# Altium PCB SAMD51_DevBoard.PcbDoc
Units mm, origin at the board's own origin, x right, y up, seen from the top; angles counter-clockwise.
Board outline 55.98 x 22.96 mm, 2 copper layers (Top Layer, Bottom Layer), stack 1.571 mm thick; 33 components, 58 nets, 205 pads, 117 vias.
Unrouted connection lines stored in the file: 13.
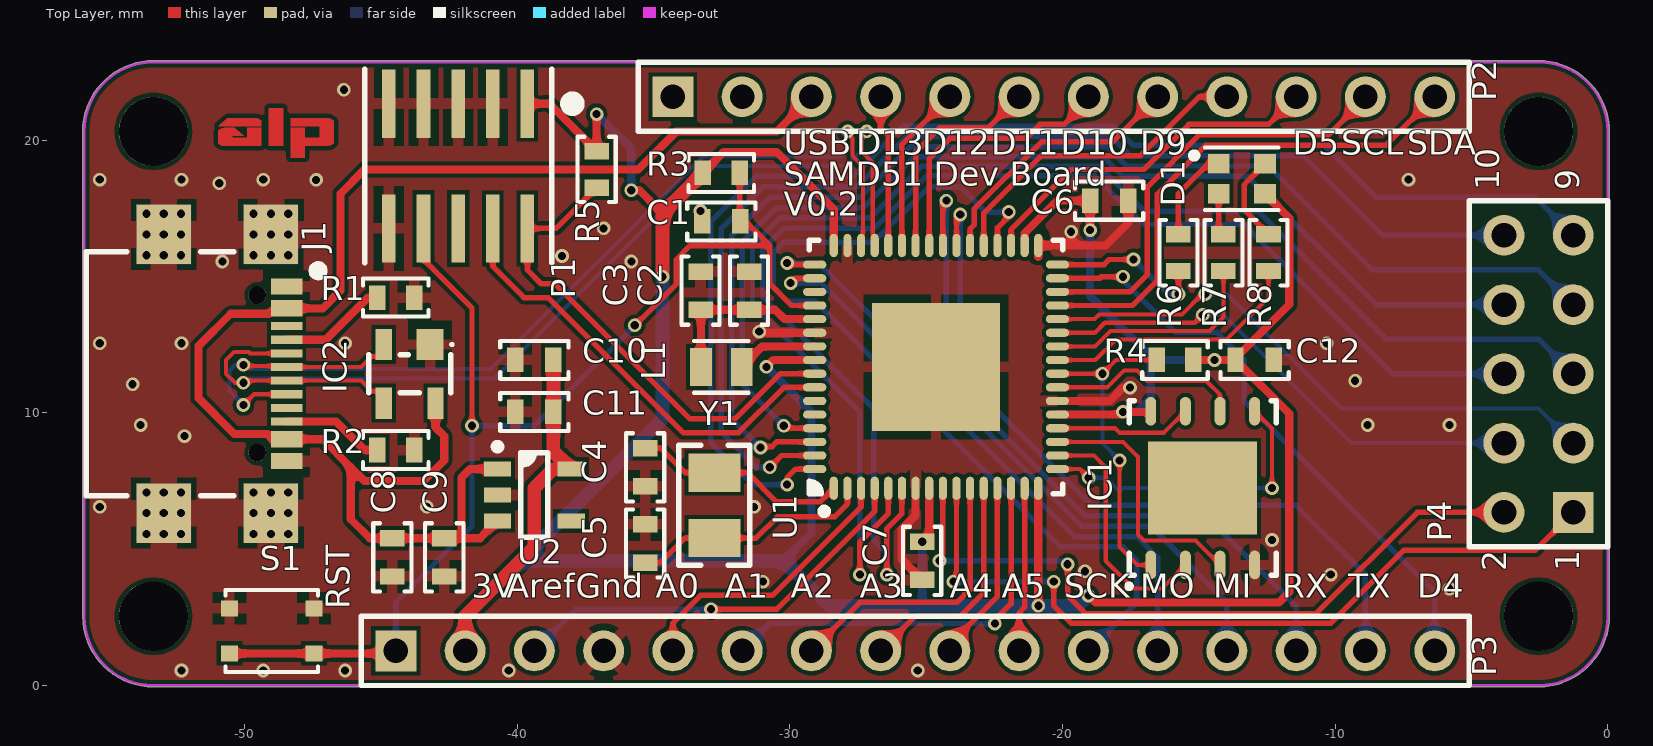
[diagram p0: Top Layer view]
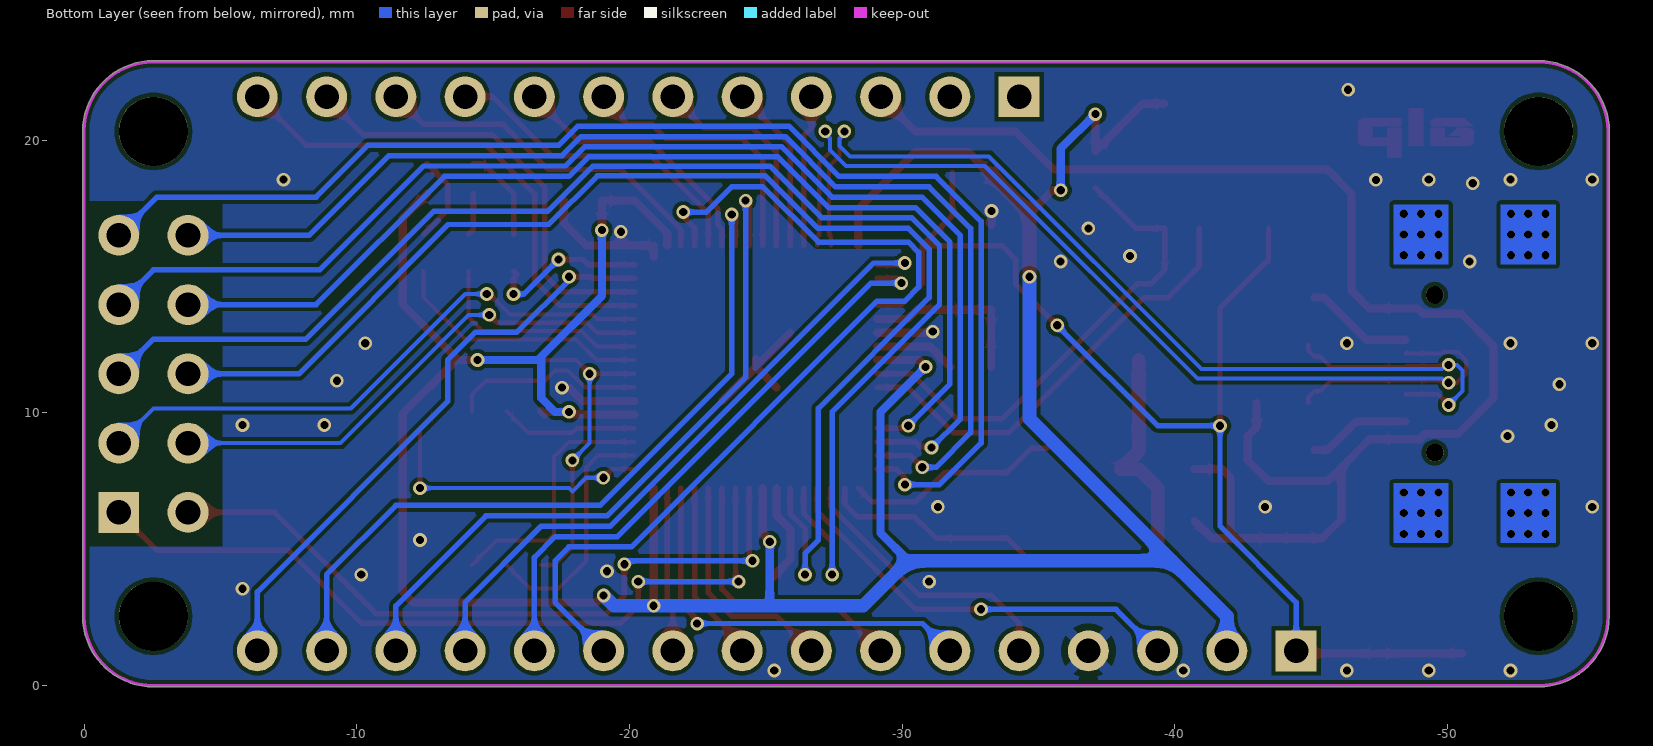
[diagram p1: Bottom Layer view, seen from below]
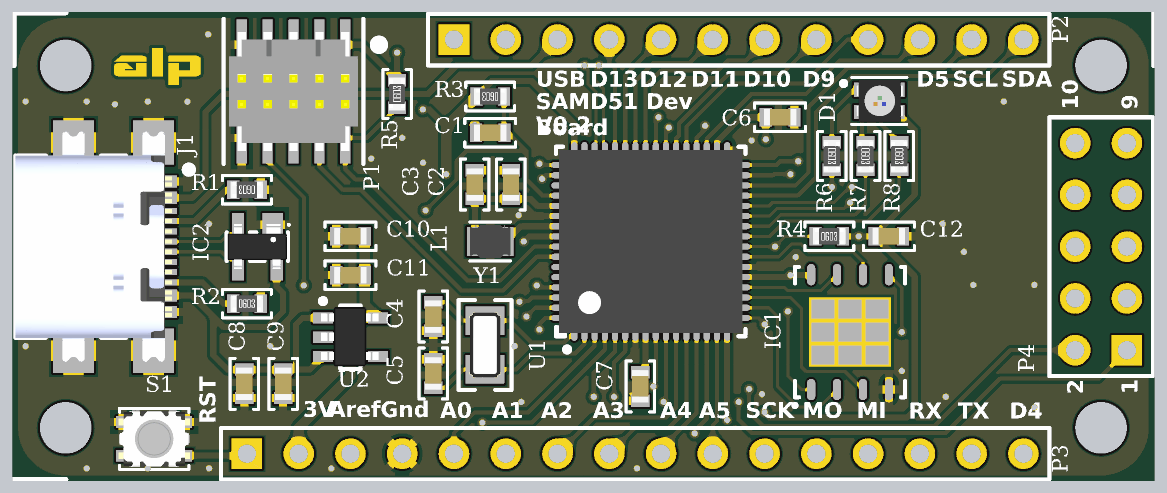
[diagram p2: 3D render of the assembled board from above, using the file's embedded part models]

## Layer stack, top to bottom
Top Solder: solder mask 0.0102, Solder Resist, Dk 3.5
Top Layer: signal copper 0.0356
Dielectric 1: dielectric 1.5, FR-4, Dk 4.8
Bottom Layer: signal copper 0.0356
Bottom Solder: solder mask 0.0102, Solder Resist, Dk 3.5

## Board outline
-2.54,-0.05 -3.895,-0.05 -53.34,-0.05 cw(c-53.34,2.54) -55.93,2.54 -55.93,20.32 cw(c-53.34,20.32) -53.34,22.91 -2.54,22.91 cw(c-2.54,20.32) 0.05,20.32 0.05,18.506 ccw(c0,18.506) 0.05,18.507 0.05,18.506 0.05,6.486 cw(c0,6.486) 0.05,6.485 0.05,2.54 cw(c-2.54,2.54)

## Design rules (kind name [scope] priority, off if disabled: settings)
Clearance [All] p1: gap=0.152 ignorepadtopadclearanceinfootprint=FALSE
DiffPairsRouting [All] p1: maxlimit=0.25 minlimit=0.152 mostfreqgap=0.2 toplayer_minwidth=0.152 toplayer_maxwidth=0.25 toplayer_prefwidth=0.2 bottomlayer_minwidth=0.152 bottomlayer_maxwidth=0.25 bottomlayer_prefwidth=0.2 maxuncoupledlength=12.7
HoleSize [All] p1: absolutevalues=TRUE maxlimit=5 minlimit=0.025 maxpercent=80.000 minpercent=20.000
HoleToHoleClearance [All] p1: gap=0.2 allowstackedmicrovias=TRUE
MinimumSolderMaskSliver [All] p1: minsoldermaskwidth=0.1
PolygonConnect [All] p1: thpad.connectstyle=Relief thpad.reliefconductorwidth=0.4 thpad.reliefentries=4 thpad.polygonreliefangle="45 Angle" thpad.airgapwidth=0.25 smdpad.connectstyle=Relief smdpad.reliefconductorwidth=0.4 smdpad.reliefentries=4 smdpad.polygonreliefangle="90 Angle" smdpad.airgapwidth=0.3 via.connectstyle=Direct via.reliefconductorwidth=0.254 via.reliefentries=4 via.polygonreliefangle="90 Angle" via.airgapwidth=0.254
RoutingVias [All] p1: holewidth=0.35 width=0.7 viastyle="Through Hole" minholewidth=0.3 minwidth=0.2 maxholewidth=1 maxwidth=1.27
SilkToSilkClearance [All] p1: silktosilkclearance=0.2
SilkToSolderMaskClearance [IsPad] p1: minsilkscreentomaskgap=0.1 clearancetoexposedcopper=TRUE
SolderMaskExpansion [All] p1: expansion=0.102 istentingtop=FALSE
Width [All] p1: maxlimit=5 minlimit=0.152 preferedwidth=0.25
24 further rules are at their usual default settings.

## Classes and differential pairs
differential pair class DIFF: D
differential pair D: +D_P -D_N

## Components (designator, comment, footprint, x,y, rotation, side; value= is the part's Value field where it differs from the comment)
C1 "1uF" "CAP 0603/1608" -32.512,17.018 r0 top
C2 "1uF" "CAP 0603/1608" -31.496,14.478 r270 top
C3 "10uF" "CAP 0603/1608" -33.274,14.478 r270 top
C4 "12pF" "CAP 0603/1608" -35.306,8.001 r90 top
C5 "12pF" "CAP 0603/1608" -35.306,5.207 r270 top
C6 "0.1uF" "CAP 0603/1608" -18.288,17.78 r180 top
C7 "1uF" "CAP 0603/1608" -25.146,4.572 r90 top
C8 "1uF" "CAP 0603/1608" -44.577,4.699 r90 top
C9 "10uF" "CAP 0603/1608" -42.672,4.699 r90 top
C10 "1uF" "CAP 0603/1608" -39.37,11.938 r0 top
C11 "10uF" "CAP 0603/1608" -39.37,10.033 r0 top
C12 "0.1uF" "CAP 0603/1608" -12.954,11.938 r180 top
D1 "FM-B2020RGBA-HG" FM-B2020RGBA-HG -14.273,19.134 r180 top value=Green
IC1 "MX25R3235FZNIL0" "SPANSION WSON-8 6x5MM" -14.859,7.239 r90 top
IC2 "PRTR5V0U2X,215" SOT143B -43.942,11.43 r270 top
J1 "USB4110-GF-A" USB4110-GF-A -49.53,11.43 r270 top
L1 "Inductor Iron" IND_Würth_74404020100 -32.512,11.684 r0 top value=10mH
P1 "FTSH-105-01-F-DV-K-TR" FTSH-105-01-F-DV-K-TR -42.164,19.05 r180 top
P2 "Header 12" HDR1X12 -34.29,21.59 r0 top
P3 "Header 16" HDR1X16 -44.45,1.27 r0 top
P4 "Header 5X2" HDR2X5 -1.27,6.35 r90 top
R1 "5.1k" "RES 0603/1608" -44.45,14.224 r180 top
R2 "5.1k" "RES 0603/1608" -44.45,8.636 r0 top
R3 "10k" "RES 0603/1608" -32.512,18.796 r180 top
R4 "10k" "RES 0603/1608" -15.875,11.938 r0 top
R5 "10k" "RES 0603/1608" -37.084,18.923 r90 top
R6 "360" "RES 0603/1608" -15.748,15.875 r270 top
R7 "150" "RES 0603/1608" -14.097,15.875 r270 top
R8 "150" "RES 0603/1608" -12.446,15.875 r270 top
S1 "SKSGACE010" SKSGACE010 -49,2 r180 top
U1 "ATSAMD51J20A-MU" "SI LABS QFN-64_S" -24.638,11.684 r90 top
U2 "AP2112K-3.3TRG1" "TI SOT-23-5 DBV" -39.37,6.985 r0 top
Y1 "32.768kHz" "ABRACON ABS07" -32.766,6.604 r90 top

## Footprints (in the part's own frame and the unit in brackets; to place one, negate y for a bottom-side part, rotate by r counter-clockwise, add the part's x,y. Pads: shape width x height; smd on the part's side, far side on the other; paste and mask are expansions set on the pad)
"ABRACON ABS07" [mm] "Crystal, 2-Leads, Body 3.20x1.50mm, IPC Medium Density"
  rect 1.4x1.9 smd: 1(-1.2,0) 2(1.2,0)
  silkscreen extent -2.2,-1.3 2.2,1.3, body extent -1.62,-0.77 1.63,0.78, height 0.9
"CAP 0603/1608" [mm] "Chip Capacitor, 2-Leads, Body 1.60x0.80mm, IPC Medium Density"
  rect 0.6x0.9 smd: 1(-0.7,0) 2(0.7,0)
  silkscreen extent -1.25,-0.7 1.25,0.7, body extent -0.8,-0.41 0.8,0.41, height 0.82
FM-B2020RGBA-HG [mm] "2.1x2.1mm RGB Led"
  rect 0.8x0.7 smd: 1(0,0) 2(-1.7,0) 3(-1.7,1.1) 4(0,1.1)
  silkscreen extent -2.2,-0.6 1,1.7, body extent -2.02,-0.5 0.27,1.6, height 0.98
FTSH-105-01-F-DV-K-TR [mm] ".050\" X .050 TERMINAL STRIP"
  rect 0.5x2.5 smd: 1(-2.54,-2.286) 2(-2.54,2.286) 3(-1.27,-2.286) 4(-1.27,2.286) 5(0,-2.286) 6(0,2.286) 7(1.27,-2.286) 8(1.27,2.286) 9(2.54,-2.286) 10(2.54,2.286)
  silkscreen extent -3.43,-3.56 3.43,3.56, body extent -3.17,-2.92 3.18,2.92, height 6.11
HDR1X12 [mm] "Connector; Header; 12 Position"
  rect 1.5x1.5 hole 0.9: 1(0,0)
  round 1.5 hole 0.9: 2(2.54,0) 3(5.08,0) 4(7.62,0) 5(10.16,0) 6(12.7,0) 7(15.24,0) 8(17.78,0) 9(20.32,0) 10(22.86,0) 11(25.4,0) 12(27.94,0)
  silkscreen extent -1.27,-1.27 29.21,1.27
HDR1X16 [mm] "Connector; Header; 16 Position"
  rect 1.5x1.5 hole 0.9: 1(0,0)
  round 1.5 hole 0.9: 2(2.54,0) 3(5.08,0) 4(7.62,0) 5(10.16,0) 6(12.7,0) 7(15.24,0) 8(17.78,0) 9(20.32,0) 10(22.86,0) 11(25.4,0) 12(27.94,0) 13(30.48,0) 14(33.02,0) 15(35.56,0) 16(38.1,0)
  silkscreen extent -1.27,-1.27 39.37,1.27
HDR2X5 [mm] "Connector; Header; 5x2 Position"
  rect 1.5x1.5 hole 0.9: 1(0,0)
  round 1.5 hole 0.9: 2(0,2.54) 3(2.54,0) 4(2.54,2.54) 5(5.08,0) 6(5.08,2.54) 7(7.62,0) 8(7.62,2.54) 9(10.16,0) 10(10.16,2.54)
  silkscreen extent -1.27,-1.27 11.43,3.81
IND_Würth_74404020100 [mm] "WE-LQS-2010"
  rect 0.8x1.4 smd: 1(-0.75,0) 2(0.75,0)
  silkscreen extent -1,-0.95 1,0.95, body extent -1,-0.8 1,0.82, height 0.98
"RES 0603/1608" [mm] "Chip Resistor, 2-Leads, Body 1.60x0.80mm, IPC Medium Density"
  rect 0.6x0.9 smd: 1(-0.675,0) 2(0.675,0)
  silkscreen extent -1.2,-0.7 1.2,0.7, body extent -0.8,-0.4 0.8,0.4, height 0.45
"SI LABS QFN-64_S" [mm] "QFN, 64-Leads, Body 9.00x9.00mm, Pitch 0.50mm, Thermal Pad 4.70x4.70mm, IPC Medium Density"
  oval 0.85x0.3 smd: 1(-4.45,3.75) 2(-4.45,3.25) 3(-4.45,2.75) 4(-4.45,2.25) 5(-4.45,1.75) 6(-4.45,1.25) 7(-4.45,0.75) 8(-4.45,0.25) 9(-4.45,-0.25) 10(-4.45,-0.75) 11(-4.45,-1.25) 12(-4.45,-1.75) 13(-4.45,-2.25) 14(-4.45,-2.75) 15(-4.45,-3.25) 16(-4.45,-3.75) 33(4.45,-3.75) 34(4.45,-3.25) 35(4.45,-2.75) 36(4.45,-2.25) 37(4.45,-1.75) 38(4.45,-1.25) 39(4.45,-0.75) 40(4.45,-0.25) 41(4.45,0.25) 42(4.45,0.75) 43(4.45,1.25) 44(4.45,1.75) 45(4.45,2.25) 46(4.45,2.75) 47(4.45,3.25) 48(4.45,3.75)
  oval 0.3x0.85 smd: 17(-3.75,-4.45) 18(-3.25,-4.45) 19(-2.75,-4.45) 20(-2.25,-4.45) 21(-1.75,-4.45) 22(-1.25,-4.45) 23(-0.75,-4.45) 24(-0.25,-4.45) 25(0.25,-4.45) 26(0.75,-4.45) 27(1.25,-4.45) 28(1.75,-4.45) 29(2.25,-4.45) 30(2.75,-4.45) 31(3.25,-4.45) 32(3.75,-4.45) 49(3.75,4.45) 50(3.25,4.45) 51(2.75,4.45) 52(2.25,4.45) 53(1.75,4.45) 54(1.25,4.45) 55(0.75,4.45) 56(0.25,4.45) 57(-0.25,4.45) 58(-0.75,4.45) 59(-1.25,4.45) 60(-1.75,4.45) 61(-2.25,4.45) 62(-2.75,4.45) 63(-3.25,4.45) 64(-3.75,4.45)
  rect 4.7x4.7 smd: 65(0,0)
  silkscreen extent -5.42,-4.65 4.65,4.65, body extent -4.5,-4.5 4.5,4.5, height 0.9
SKSGACE010 [mm]
  rect 0.625x0.575 smd: 1(-1.55,0.825) 2(1.55,0.825) 3(-1.55,-0.825) 4(1.55,-0.825)
  silkscreen extent -1.7,-1.5 1.7,1.5, body extent -1.75,-1.39 1.75,1.39, height 1.35
SOT143B [mm] "SOT143, 4-Leads, Body 2.90x2.30mm, Pitch 1.90mm, IPC Medium Density"
  rect 1.15x1 smd: 1(-1.075,0.75)
  rect 1.15x0.6 smd: 2(-1.075,-0.95) 3(1.075,-0.95) 4(1.075,0.95)
  silkscreen extent -1.12,-1.5 0.7,1.6, body extent -1.1,-1.45 1.1,1.45, height 1
"SPANSION WSON-8 6x5MM" [mm] "SON, 8-Leads, Body 5.00x6.00mm, Pitch 1.27mm, Thermal Pad 4.00x3.40mm, IPC Medium Density"
  oval 1.05x0.4 smd: 1(-2.82,1.905) 2(-2.82,0.635) 3(-2.82,-0.635) 4(-2.82,-1.905) 5(2.82,-1.905) 6(2.82,-0.635) 7(2.82,0.635) 8(2.82,1.905)
  rect 3.4x4 smd paste-1.7 mask+0: 9(0,0)
  silkscreen extent -3.65,-2.7 3.2,2.75, body extent -3.05,-2.55 3.05,2.55, height 0.8
"TI SOT-23-5 DBV" [mm] "SOT23, 5-Leads, Body 2.90x2.80mm, Pitch 0.95mm, IPC Medium Density"
  rect 1x0.55 smd: 1(-1.35,0.95) 2(-1.35,0) 3(-1.35,-0.95) 4(1.35,-0.95) 5(1.35,0.95)
  silkscreen extent -1.47,-1.55 0.5,1.9, body extent -1.44,-1.43 1.39,1.48, height 1.5
USB4110-GF-A [mm]
  rect 0.6x1.15 smd: A1/B12(-3.2,1.075) A4/B9(-2.4,1.075) B1/A12(3.2,1.075) B4/A9(2.4,1.075)
  rect 0.3x1.15 smd: A5(-1.25,1.075) A6(-0.25,1.075) A7(0.25,1.075) A8(1.25,1.075) B5(1.75,1.075) B6(0.75,1.075) B7(-0.75,1.075) B8(-1.75,1.075)
  round 0.65 hole 0.65 unplated: None(-2.89,0) None(2.89,0)
  rect 2.18x2 smd: S1(-5.11,0.5) S2(5.11,0.5) S3(-5.11,-3.43) S4(5.11,-3.43)
  silkscreen extent -4.47,-6.28 4.47,2.48, body extent -5.65,-6.28 5.65,1.4, height 3.28

## Part data
C1 C2 C7 C8 C10: library part C0603C105K4PACTU, "CAP CER 1UF 16V X5R 0603", Device Package="0603 (1608 Metric)", Manufacturer=Kemet, Supplier Part Number 1=399-5090-2-ND, TemperatureCoefficient=X5R, TemperatureRange="-55C ~ 85C", Tolerance=10%, Voltage=16V, ComponentLink1Description=Datasheet, ComponentLink1URL=http://www.kemet.com/docfinder?Partnumber=C0603C105K4PACTU, ComponentLink2Description="Digi-Key Listing", ComponentLink2URL=https://www.digikey.com/product-detail/en/kemet/C0603C105K4PACTU/399-5090-2-ND/1465595, Part Number=C0603C105K4PACTU, PartId=12982, Price=0.0156, Supplier 1=Digi-Key
C3 C9 C11: library part GRM188R60J106ME47D, "CAP CER 10UF 6.3V X5R 0603", Device Package="0603 (1608 Metric)", Manufacturer="Murata Electronics North America", Supplier Part Number 1=490-3896-2-ND, TemperatureCoefficient=X5R, TemperatureRange="-55C ~ 85C", Tolerance=20%, Voltage=6.3V, ComponentLink1Description=Datasheet, ComponentLink1URL=http://www.murata.com/~/media/webrenewal/support/library/catalog/products/capacitor/mlcc/c02e.pdf, ComponentLink2Description="Digi-Key Listing", ComponentLink2URL=https://www.digikey.com/product-detail/en/murata-electronics-north-america/GRM188R60J106ME47D/490-3896-2-ND/965910, Part Number=GRM188R60J106ME47D, PartId=12950, Price=0.031, Supplier 1=Digi-Key
C4 C5: library part C1608C0G1H120J080AA, "CAP CER 12PF 50V C0G 0603", Device Package="0603 (1608 Metric)", Manufacturer="TDK Corporation", Supplier Part Number 1=445-1270-1-ND, TemperatureCoefficient="C0G, NP0", TemperatureRange="-55C ~ 125C", Tolerance=5%, Voltage=50V, ComponentLink1Description=Datasheet, ComponentLink1URL=https://product.tdk.com/info/en/catalog/datasheets/mlcc_commercial_general_en.pdf, ComponentLink2Description="Digi-Key listing", ComponentLink2URL=http://digikey.com/product-detail/en/C1608C0G1H120J080AA/445-1270-1-ND/567672, Part Number=C1608C0G1H120J080AA, PartId=4060, Price=0.14, Supplier 1=Digi-Key, Type=-
C6 C12: library part CL10B104JO8NNNC, "CAP CER 0.1UF 16V X7R 0603", Device Package="0603 (1608 Metric)", Manufacturer="Samsung Electro-Mechanics America, Inc.", Supplier Part Number 1=1276-1061-2-ND, TemperatureCoefficient=X7R, TemperatureRange="-55C ~ 125C", Tolerance=5%, Voltage=16V, ComponentLink1Description=Datasheet, ComponentLink1URL=http://www.samsungsem.com/kr/support/product-search/mlcc/CL10B104JO8NNNC.jsp, ComponentLink2Description="Digi-Key listing", ComponentLink2URL=http://digikey.com/product-detail/en/CL10B104JO8NNNC/1276-1061-2-ND/3886719, Part Number=CL10B104JO8NNNC, PartId=5417, Price=0.0132, Supplier 1=Digi-Key, Type=-
D1: "RGB 615~630nmRed,515~535nmGreen,465~480nmBlue 2020", Colour=RGB, Device Package=2020, Manufacturer="Foshan NationStar Optoelectronics", Supplier Part Number 1=C108793, ComponentLink1Description=Datasheet, ComponentLink1URL=https://datasheet.lcsc.com/szlcsc/1810231210_Foshan-NationStar-Optoelectronics-FM-B2020RGBA-HG_C108793.pdf, ComponentLink2Description="LCSC Listing", ComponentLink2URL=https://lcsc.com/product-detail/Light-Emitting-Diodes-LED_FM-B2020RGBA-HG_C108793.html, Part Number=FM-B2020RGBA-HG, PartId=10872, Supplier 1=LCSC, Type="Surface Mount"
IC1: library part S25FL116K0XNFI011, "IC FLASH MEM 16MB SPI CMOS 8WSON", Device Package="8-WDFN Exposed Pad", Manufacturer=Spansion, Operating Temperature="-40C ~ 85C", Supplier Part Number 1=1274-1131-ND, Voltage - Supply="2.7 V ~ 3.6 V", ComponentLink1Description=Datasheet, ComponentLink1URL=http://www.spansion.com/Support/Datasheets/S25FL1-K_00.pdf, ComponentLink2Description="Digi-Key Listing", ComponentLink2URL=http://www.digikey.com/product-detail/en/S25FL116K0XNFI011/1274-1131-ND/4517162, Interface="SPI Serial", Memory Size="16M (2M x 8)", Memory Type="FLASH - NOR", Part Number=S25FL116K0XNFI011, PartId=8258, Price=0,49, Speed=108MHz, Supplier 1=Digi-Key, Type="FLASH - NOR"
IC2: "TVS DIODE 5.5VWM SOT143B", Current - Peak Pulse=-, Device Package="TO-253-4, TO-253AA", Manufacturer="NXP Semiconductors", Operating Temperature="-40C ~ 85C (TA)", Supplier Part Number 1=568-4140-2-ND, Voltage (Breakdown)=6V, Voltage (Reverse Standoff)="5.5V (Max)", ComponentLink1Description=Datasheet, ComponentLink1URL=http://www.nxp.com/documents/data_sheet/PRTR5V0U2X.pdf, ComponentLink2Description="Digi-Key Listing", ComponentLink2URL=http://www.digikey.com/product-detail/en/nxp-semiconductors/PRTR5V0U2X,215/568-4140-2-ND/1163690, Part Number=PRTR5V0U2X,215, PartId=9755, Power - Peak Pulse=-, Price=0.1794, Supplier 1=Digi-Key, Type="Steering (Rail to Rail)", Voltage (Clamping)=-
J1: "CONN USB 2.0 TYPE-C R/A SMT", Manufacturer=GCT, Supplier Part Number 1=2073-USB4110-GF-A-1-ND, ComponentLink1Description=Datasheet, ComponentLink1URL=https://gct.co/files/drawings/usb4110.pdf, Part Number=USB4110-GF-A, PartId=9701, Supplier 1=Digi-Key
L1: "Magnetic-Core Inductor", LatestRevisionDate=17-Jul-2002, LatestRevisionNote="Re-released for DXP Platform.", PackageDescription="Axial Device, Thru-Hole; 2 Leads; 0.9 in Pin Spacing", PackageReference=AXIAL-0.9, Published=24-Mar-1999, Publisher="Altium Limited"
P1: library part "Header 5X2", "Header, 5-Pin, Dual row", LatestRevisionDate=17-Jul-2002, LatestRevisionNote="Re-released for DXP Platform.", Publisher="Altium Limited"
P2: "Header, 12-Pin", LatestRevisionDate=17-Jul-2002, LatestRevisionNote="Re-released for DXP Platform.", Publisher="Altium Limited"
P3: "Header, 16-Pin", LatestRevisionDate=17-Jul-2002, LatestRevisionNote="Re-released for DXP Platform.", Publisher="Altium Limited"
P4: "Header, 5-Pin, Dual row", LatestRevisionDate=17-Jul-2002, LatestRevisionNote="Re-released for DXP Platform.", Publisher="Altium Limited"
R1 R2: library part ERJ-3GEYJ512V, "RES SMD 5.1K OHM 5% 1/10W 0603", Device Package="0603 (1608 Metric)", Manufacturer="Panasonic Electronic Components", PowerRating="0.1W, 1/10W", Supplier Part Number 1=P5.1KGTR-ND, TemperatureCoefficient=200ppm/C, TemperatureRange="-55C ~ 155C", Tolerance=5%, ComponentLink1Description=Datasheet, ComponentLink1URL=http://industrial.panasonic.com/www-cgi/jvcr13pz.cgi?E+PZ+3+AOA0001+ERJ3GEYJ512V+7+WW, ComponentLink2Description="Digi-Key Listing", ComponentLink2URL=https://www.digikey.com/product-detail/en/panasonic-electronic-components/ERJ-3GEYJ512V/P5.1KGTR-ND/135918, Part Number=ERJ-3GEYJ512V, PartId=11206, Price=0.002, Supplier 1=Digi-Key
R3 R4 R5: library part ERJ-3GEYJ103V, "RES SMD 10K OHM 5% 1/10W 0603", Device Package="0603 (1608 Metric)", Manufacturer="Panasonic Electronic Components", PowerRating="0.1W, 1/10W", Supplier Part Number 1=P10KGTR-ND, TemperatureCoefficient=200ppm/C, TemperatureRange="-55C ~ 155C", Tolerance=5%, ComponentLink1Description=Datasheet, ComponentLink1URL=http://industrial.panasonic.com/www-cgi/jvcr13pz.cgi?E+PZ+3+AOA0001+ERJ3GEYJ103V+7+WW, ComponentLink2Description="Digi-Key Listing", ComponentLink2URL=https://www.digikey.com/product-detail/en/panasonic-electronic-components/ERJ-3GEYJ103V/P10KGTR-ND/135662, Part Number=ERJ-3GEYJ103V, PartId=11175, Price=0.002, Supplier 1=Digi-Key
R6: library part ERJ-3GEYJ361V, "RES SMD 360 OHM 5% 1/10W 0603", Device Package="0603 (1608 Metric)", Manufacturer="Panasonic Electronic Components", PowerRating="0.1W, 1/10W", Supplier Part Number 1=P360GTR-ND, TemperatureCoefficient=200ppm/C, TemperatureRange="-55C ~ 155C", Tolerance=5%, ComponentLink1Description=Datasheet, ComponentLink1URL=http://industrial.panasonic.com/www-cgi/jvcr13pz.cgi?E+PZ+3+AOA0001+ERJ3GEYJ361V+7+WW, ComponentLink2Description="Digi-Key Listing", ComponentLink2URL=https://www.digikey.com/product-detail/en/panasonic-electronic-components/ERJ-3GEYJ361V/P360GTR-ND/135761, Part Number=ERJ-3GEYJ361V, PartId=11239, Price=0.002, Supplier 1=Digi-Key
R7 R8: library part ERJ-3GEYJ151V, "RES SMD 150 OHM 5% 1/10W 0603", Device Package="0603 (1608 Metric)", Manufacturer="Panasonic Electronic Components", PowerRating="0.1W, 1/10W", Supplier Part Number 1=P150GTR-ND, TemperatureCoefficient=200ppm/C, TemperatureRange="-55C ~ 155C", Tolerance=5%, ComponentLink1Description=Datasheet, ComponentLink1URL=http://industrial.panasonic.com/www-cgi/jvcr13pz.cgi?E+PZ+3+AOA0001+ERJ3GEYJ151V+7+WW, ComponentLink2Description="Digi-Key Listing", ComponentLink2URL=https://www.digikey.com/product-detail/en/panasonic-electronic-components/ERJ-3GEYJ151V/P150GTR-ND/135689, Part Number=ERJ-3GEYJ151V, PartId=11200, Price=0.002, Supplier 1=Digi-Key
S1: "SWITCH TACTILE SPST-NO 0.05A 16V", Manufacturer=ALPS, Supplier Part Number 1=688-SKSGACE010, ComponentLink1Description=Datasheet, ComponentLink1URL=https://www.mouser.se/datasheet/2/15/SKSG-1370727.pdf, ComponentLink2Description="Mouser Listing", ComponentLink2URL=https://www.mouser.se/ProductDetail/ALPS/SKSGACE010?qs=Ptl%2FSkKmb3BEFq%252BG855%2Fog==, Part Number=SKSGACE010, PartId=16471, Supplier 1=Mouser
U1: "IC MCU 32BIT 1MB FLASH 64VQFN", Device Package="64-VFQFN Exposed Pad", Manufacturer="Microchip Technology", Supplier Part Number 1=ATSAMD51J20A-MU-ND, ComponentLink1Description=Datasheet, ComponentLink1URL=http://ww1.microchip.com/downloads/en/DeviceDoc/60001507E.pdf, ComponentLink2Description="Digi-Key Listing", ComponentLink2URL=https://www.digikey.com/product-detail/en/microchip-technology/ATSAMD51J20A-MU/ATSAMD51J20A-MU-ND/7390352, Core Processor="ARM Cortex-M4", Part Number=ATSAMD51J20A-MU, PartId=10980, Supplier 1=Digi-Key
U2: library part TPS73633DBVT, "IC REG LINEAR 3.3V 400MA SOT23-5", Device Package=SOT-23-5, Manufacturer="Texas Instruments", Supplier Part Number 1=296-15819-1-ND, Voltage - Output=3.3V, Part Number=TPS73633DBVT, PartId=7968, Supplier 1=Digi-Key, Topology="Positive Fixed"
Y1: library part ABS07-32.768KHZ-T, "CRYSTAL 32.7680KHZ 12.5PF SMD", Device Package=2-SMD, Frequency Stability=-, Frequency Tolerance=20ppm, Load Capacitance=12.5pF, Manufacturer="Abracon LLC", Operating Mode=Fundamental, Supplier Part Number 1=535-9542-2-ND, ComponentLink1Description=Datasheet, ComponentLink1URL=http://www.abracon.com/Resonators/ABS07.pdf, ComponentLink2Description="Digi-Key Listing", ComponentLink2URL=http://www.digikey.com/product-detail/en/ABS07-32.768KHZ-T/535-9542-2-ND/1236858, ESR="70 kOhm", Frequency=32.768kHz, Part Number=ABS07-32.768KHZ-T, PartId=8487, Price=0,3, Supplier 1=Digi-Key, Type="kHz Crystal (Tuning Fork)"

## Free pads (board coordinates)
  round 2.54 hole 2.54 unplated: 4(-53.34,20.32) 4(-2.54,20.32) 5(-53.34,2.54) 5(-2.54,2.54)

## Via types
v1: diameter 0.5, hole 0.3, Top Layer to Bottom Layer, tented both sides, 81 vias
v2: diameter 0.3, hole 0.3, Top Layer to Bottom Layer, tented both sides, 36 vias

## Nets (pads, with @x,y where several pads share a name; then routed paths per layer and width w, separated by ;. In a path a pad name is that pad's centre, name@x,y a point inside that pad or via, vN(x,y) a via of type N, cw(c..) or ccw(c..) an arc to the next point about the centre after c; other vN are vias at no path point)
+3V3: C6.2 C7.2 C10.2 C11.2 C12.2 D1.3 IC1.8 P1.1 P3.2 R3.2 R4.2 R5.2 U1.8 U1.16 U1.21 U1.34 U1.48 U1.56 U2.5 | length 135.9
  Top Layer w0.3: P1.1 -38.822,21.336 R5.2 v1(-37.084,20.955) ; v1(-35.814,18.161) -35.52,18.161 -34.671,17.312 ; R3.2 -32.425,19.558 -30.48,19.558 -28.388,17.466 U1.48 ; v1(-30.861,11.684) -30.611,11.934 U1.56 ; v1(-25.146,5.272) -24.888,5.53 U1.8 ; U1.34 -21.388,16.585 -20.193,17.78 C6.2 v1(-18.988,16.699) ; U1.16 -20.888,2.988 -20.955,2.921 v1(-20.886,2.921) ; U1.21 -17.879,9.934 v1(-17.78,10.033) -16.988,10.033 -16.889,9.934 IC1.8 ; v1(-19.05,3.302) -18.796,3.048 -12.065,3.048 -11.684,3.429 -11.684,9.968 C12.2 ; R4.2 v1(-14.427,11.938) C12.2 ; D1.3 -11.684,17.145 -11.684,13.97 -13.654,12 C12.2
  Top Layer w0.5: P3.2 -41.91,2.54 -39.37,5.08 -39.37,7.239 -38.674,7.935 U2.5 -38.67,8.585 C11.2 C10.2 ; v1(-34.671,14.986) -34.671,17.312 R3.2
  Bottom Layer w0.3: v1(-37.084,20.955) -35.814,19.685 v1(-35.814,18.161) ; v1(-30.861,11.684) -29.21,10.033 -29.21,5.588 -30.226,4.572 ; -25.146,2.921 v1(-25.146,5.272) ; v1(-18.988,16.699) -18.988,14.289 -16.764,12.065 ; v1(-17.78,10.033) -17.272,10.033 -16.764,10.541 -16.764,12.065 ; v1(-14.427,11.938) -16.637,11.938 -16.764,12.065
  Bottom Layer w0.5: P3.2 -41.91,2.54 -39.878,4.572 ; v1(-34.671,14.986) -34.671,9.779 -39.878,4.572 ; v1(-19.05,3.302) -19.431,2.921 v1(-20.886,2.921) -25.146,2.921 -28.575,2.921 -30.226,4.572 -39.878,4.572
A0: P3.5 U1.3 | length 10.4
  Top Layer w0.2: P3.5 -34.29,2.286 -33.274,3.302 -30.639,3.302 -27.388,6.553 U1.3
A1: P3.6 U1.14 | length 14.9
  Top Layer w0.2: v1(-22.479,2.269) -22.479,2.413 -21.888,3.004 U1.14
  Bottom Layer w0.2: P3.6 -30.748,2.272 -22.483,2.272 v1(-22.479,2.269)
A2: P3.7 U1.11 | length 10.5
  Top Layer w0.2: P3.7 -27.432,3.048 -23.876,3.048 -23.388,3.536 U1.11
A3: P3.8 U1.12 | length 8.5
  Top Layer w0.2: P3.8 -25.4,2.54 -23.749,2.54 -22.888,3.401 U1.12
A4: P3.9 U1.13 | length 6.7
  Top Layer w0.2: P3.9 -24.13,1.524 -22.388,3.266 U1.13
A5: P3.10 U1.15 | length 6
  Top Layer w0.2: P3.10 -21.59,2.667 -21.388,2.869 U1.15
AREF: P3.3 U1.4 | length 15.4
  Top Layer w0.2: v1(-32.893,2.794) -30.48,2.794 -26.888,6.386 U1.4
  Bottom Layer w0.2: P3.3 -37.846,2.794 v1(-32.893,2.794)
D4: P3.16 U1.31 | length 21.8
  Top Layer w0.2: U1.31 -18.629,14.934 -18.577,14.986 v1(-17.78,14.986)
  Bottom Layer w0.2: v1(-17.78,14.986) -17.78,14.859 -15.875,12.954 -14.351,12.954 -13.335,11.938 -13.335,10.414 -6.35,3.429 P3.16
D5: P2.10 U1.35 | length 13.1
  Top Layer w0.2: U1.35 -21.888,16.72 -19.685,18.923 -17.018,18.923 -15.367,20.574 -12.446,20.574 P2.10
D6: P2.9 U1.37 | length 11.9
  Top Layer w0.2: U1.37 -22.888,17.319 -20.776,19.431 -17.145,19.431 -14.986,21.59 P2.9
D9: P2.8 U1.38 | length 9.8
  Top Layer w0.2: U1.38 -23.388,16.744 -23.241,16.891 -23.241,17.465 -20.767,19.939 -18.161,19.939 P2.8
D10: P2.7 U1.41 | length 10
  Top Layer w0.2: U1.41 -24.888,19.308 -24.13,20.066 -21.336,20.066 -20.828,20.574 -19.939,20.574 -19.05,21.463 P2.7
D11: P2.6 U1.42 | length 8.1
  Top Layer w0.2: U1.42 -25.388,19.57 -24.511,20.447 -22.733,20.447 P2.6
D12: P2.5 U1.43 | length 6.2
  Top Layer w0.2: U1.43 -25.888,19.832 P2.5
D13: P2.4 U1.44 | length 5.6
  Top Layer w0.2: P2.4 -26.67,20.447 -26.388,20.165 U1.44
D_N: IC2.3 J1.A7 J1.B7 U1.45 | length 40.8
  Top Layer w0.152: J1.B7@-48.51,12.235 J1.B7 -49.785,12.18 -49.84,12.235 -50.376,12.235 -50.673,11.938 -50.673,11.43 -50.347,11.104 v1(-50.038,11.104) -49.944,11.104 -49.868,11.18 J1.A7 -45.717,11.18 -45.331,10.794 -45.116,10.794 -44.892,10.571 IC2.3 ; v1(-27.178,20.32) -27.178,20.233 -27.354,20.057 -27.354,19.563 -26.962,19.171 -26.962,16.523 -26.888,16.449 U1.45
  Bottom Layer w0.152: v1(-50.038,11.104) -49.944,11.104 -49.794,11.254 -40.826,11.254 -33.03,19.05 -27.94,19.05 -27.354,19.636 -27.354,20.057 -27.178,20.233 v1(-27.178,20.32)
D_P: IC2.2 J1.A6 J1.B6 U1.46 | length 40.3
  Top Layer w0.152: v1(-50.038,10.287) -49.645,10.68 J1.B6 ; v1(-50.038,11.756) -50,11.718 -48.493,11.718 J1.A6 -45.717,11.68 -45.331,12.066 -45.116,12.066 -44.892,12.289 IC2.2 ; v1(-27.882,20.32) -27.882,20.233 -27.706,20.057 -27.706,19.417 -27.314,19.026 -27.314,16.523 -27.388,16.449 U1.46
  Bottom Layer w0.152: v1(-50.038,10.287) -50.546,10.795 -50.546,11.557 -50.347,11.756 v1(-50.038,11.756) -49.944,11.756 -49.794,11.606 -40.972,11.606 -33.176,19.402 -28.086,19.402 -27.706,19.782 -27.706,20.057 -27.882,20.233 v1(-27.882,20.32)
GND: C1.1 C2.1 C3.1 C4.1 C5.1 C6.1 C7.1 C8.1 C9.1 C10.1 C11.1 C12.1 IC1.4 IC2.1 J1.A1/B12 J1.B1/A12 J1.S1 J1.S2 J1.S3 J1.S4 P1.3 P1.5 P1.7 P1.9 P1.10 P3.4 R1.1 R2.2 S1.3 S1.4 U1.7 U1.22 U1.33 U1.47 U1.54 U1.65 U2.2 | length 19.7
  Top Layer w0.3: v1(-33.274,17.399) -33.274,16.891 -33.212,16.953 C1.1 ; v1(-31.119,12.976) -31.119,12.958 -31.095,12.934 U1.54 ; U1.65@-25.888,12.934 U1.65 ; U1.7 -25.388,6.235 -25.908,5.715 -25.908,4.634 C7.1 ; U1.65@-25.388,10.934 U1.65 ; U1.65@-24.638,11.969 U1.65 ; U1.65@-23.388,10.434 U1.65 ; U1.33@-20.888,15.719 U1.33 -19.685,16.134 ; U1.22 -18.268,10.434 -17.78,10.922 v1(-17.526,10.922) ; v1(-19.685,16.637) -19.685,16.134 ; C6.1 -17.588,16.961 -18.415,16.134 -19.685,16.134
  other v1: -52.31,0.55 -49.31,0.55 -46.31,0.55 -40.31,0.55 -25.31,0.55 -5.81,3.55 -30.988,3.81 -10.16,4.064 -19.177,4.191 -12.319,5.334 -55.31,6.55 -43.31,6.55 -31.31,6.55 -52.197,9.144 -53.81,9.55 -8.81,9.55 -5.81,9.55 -54.102,11.049 -9.271,11.176 -55.31,12.55 -52.31,12.55 -46.31,12.55 -10.31,12.55 -50.81,15.55 -35.81,15.55 -38.354,15.748 -36.83,16.764 -50.927,18.415 -55.31,18.55 -52.31,18.55 -49.31,18.55 -47.371,18.542 -7.31,18.55 -46.355,21.844
  other v2: -53.594,5.558 -52.96,5.558 -52.326,5.558 -49.664,5.558 -49.03,5.558 -48.396,5.558 -53.594,6.32 -52.96,6.32 -52.326,6.32 -49.664,6.32 -49.03,6.32 -48.396,6.32 -53.594,7.082 -52.96,7.082 -52.326,7.082 -49.664,7.082 -49.03,7.082 -48.396,7.082 -53.594,15.778 -52.96,15.778 -52.326,15.778 -49.664,15.778 -49.03,15.778 -48.396,15.778 -53.594,16.54 -52.96,16.54 -52.326,16.54 -49.664,16.54 -49.03,16.54 -48.396,16.54 -53.594,17.302 -52.96,17.302 -52.326,17.302 -49.664,17.302 -49.03,17.302 -48.396,17.302
MISO: P3.13 U1.49 | length 24.1
  Top Layer w0.2: v1(-30.099,15.494) -30.039,15.434 U1.49
  Bottom Layer w0.2: v1(-30.099,15.494) -28.956,15.494 -19.304,5.842 -16.764,5.842 -13.97,3.048 P3.13
MOSI: P3.12 U1.50 | length 22
  Top Layer w0.2: v1@-29.995,14.732 v1(-29.97,14.757) -29.793,14.934 U1.50
  Bottom Layer w0.2: v1(-29.97,14.757) -28.854,14.757 -19.558,5.461 -17.272,5.461 -16.51,4.699 P3.12
NetC2_2: C2.2 C3.2 L1.1 U1.53 | length 6.4
  Top Layer w0.3: L1.1 -33.262,13.766 C3.2 C2.2 -30.542,13.778 -30.198,13.434 U1.53
NetC4_2: C4.2 U1.1 Y1.2 | length 7.9
  Top Layer w0.2: C4.2 -34.736,8.701 -33.839,7.804 Y1.2 -31.553,7.804 -30.48,6.731 -28.891,6.731 U1.1
NetC5_2: C5.2 U1.2 Y1.1 | length 8.9
  Top Layer w0.2: C5.2 -34.736,4.507 -33.839,5.404 Y1.1 -31.242,5.404 -30.461,6.185 -28.359,6.185 -27.888,6.656 U1.2
NetD1_1: D1.1 R6.1 | length 3.4
  Top Layer w0.2: R6.1 -15.748,18.034 -14.648,19.134 D1.1
NetD1_2: D1.2 R8.1 | length 3.3
  Top Layer w0.2: D1.2 -13.071,18.636 -13.078,18.636 -13.225,18.489 -13.225,18.482 -13.335,18.372 -13.335,17.439 R8.1
NetD1_4: D1.4 R7.1 | length 1.6
  Top Layer w0.2: D1.4 -14.273,16.726 R7.1
NetJ1_A5: J1.A5 R1.2 | length 4
  Top Layer w0.3: J1.A5 -47.01,12.68 -45.466,14.224 R1.2
NetJ1_B5: J1.B5 R2.1 | length 3.8
  Top Layer w0.3: J1.B5 -46.637,9.68 -45.593,8.636 R2.1
NetL1_2: L1.2 U1.55 | length 3
  Top Layer w0.3: L1.2 -31.023,12.423 -30.891,12.423 -30.88,12.434 U1.55
PA15: R6.2 U1.32 | length 6
  Top Layer w0.2: U1.32 -18.475,15.434 -18.288,15.621 v1(-17.399,15.621) ; v1(-15.748,14.351) -15.748,14.946 -15.875,15.073 R6.2
  Bottom Layer w0.2: v1(-17.399,15.621) -16.129,14.351 -15.875,14.351 v1(-15.748,14.351)
PB00: P4.8 U1.61 | length 40
  Top Layer w0.2: v1(-30.226,9.525) -30.099,9.525 -30.008,9.434 U1.61
  Bottom Layer w0.2: v1(-30.226,9.525) -31.75,11.049 -31.75,16.256 -30.48,17.526 -27.305,17.526 -25.435,19.396 -18.507,19.396 -17.78,18.669 -13.208,18.669 -8.509,13.97 P4.8
PB01: P4.7 U1.62 | length 44.9
  Top Layer w0.2: v1(-31.077,8.725) -31.04,8.763 -30.651,8.763 -30.48,8.934 U1.62
  Bottom Layer w0.2: v1(-31.077,8.725) -32.131,9.779 -32.131,16.51 -30.734,17.907 -27.432,17.907 -25.59,19.748 -18.351,19.748 -17.653,19.05 -12.446,19.05 -8.636,15.24 -2.54,15.24 P4.7
PB02: P4.10 U1.63 | length 43.2
  Top Layer w0.2: v1(-30.734,8.001) -30.301,8.434 U1.63
  Bottom Layer w0.2: v1(-30.734,8.001) -31.242,8.001 -32.512,9.271 -32.512,16.764 -30.988,18.288 -27.559,18.288 -25.717,20.13 -18.225,20.13 -17.526,19.431 -11.176,19.431 -8.255,16.51 P4.10
PB03: P4.9 U1.64 | length 47.7
  Top Layer w0.2: v1(-30.099,7.366) -30.099,7.62 -29.785,7.934 U1.64
  Bottom Layer w0.2: v1(-30.099,7.366) -31.369,7.366 -32.893,8.89 -32.893,17.018 -31.242,18.669 -27.686,18.669 -25.844,20.511 -18.107,20.511 -17.409,19.812 -10.414,19.812 -8.509,17.907 -2.667,17.907 P4.9
PB04: P4.5 U1.5 | length 51.8
  Top Layer w0.2: v1(-27.432,4.064) -27.432,5.258 -26.388,6.302 U1.5
  Bottom Layer w0.2: v1(-27.432,4.064) -27.432,10.033 -31.369,13.97 -31.369,16.129 -30.353,17.145 -27.051,17.145 -25.152,19.044 -18.653,19.044 -17.008,17.399 -12.827,17.399 -8.128,12.7 -2.54,12.7 P4.5
PB05: P4.6 U1.6 | length 48.7
  Top Layer w0.2: v1@-26.416,3.937 -26.437,3.958 v1(-26.437,4.064) -26.437,5.755 -25.888,6.304 U1.6
  Bottom Layer w0.2: v1(-26.437,4.064) -26.437,4.847 -26.924,5.334 -26.924,10.16 -30.988,14.224 -30.988,16.002 -30.226,16.764 -26.914,16.764 -26.665,17.013 -24.987,18.691 -18.818,18.691 -17.033,16.906 -13.35,16.906 -7.874,11.43 P4.6
PB06: P4.2 U1.9 | length 26.4
  Top Layer w0.2: v1(-24.511,4.572) -24.511,4.707 -24.388,4.83 U1.9 ; v1(-19.812,4.445) -19.812,3.302 -19.148,2.638 -10.697,2.638 -6.985,6.35 P4.2
  Bottom Layer w0.2: v1(-24.511,4.572) -19.939,4.572 v1(-19.812,4.445)
PB07: P4.1 U1.10 | length 29
  Top Layer w0.2: v1(-24.003,3.81) -23.888,3.925 U1.10 ; v1(-20.32,3.81) -20.32,2.921 -19.685,2.286 -10.16,2.286 -7.493,4.953 -2.667,4.953 P4.1
  Bottom Layer w0.2: v1(-24.003,3.81) v1(-20.32,3.81)
PB12: R8.2 U1.25 | length 9.7
  Top Layer w0.152: U1.25 -18.8,11.934 -18.043,12.691 -13.979,12.691 -12.446,14.224 R8.2
PB13: R7.2 U1.26 | length 8.2
  Top Layer w0.152: U1.26 -18.808,12.434 -18.246,12.996 -14.605,12.996 -14.097,13.504 R7.2
PB14: P4.4 U1.27 | length 18.6
  Top Layer w0.152: U1.27 -18.816,12.934 -18.449,13.301 -15.147,13.301 v1(-14.859,13.589)
  Bottom Layer w0.152: v1(-14.859,13.589) -14.097,13.589 -9.398,8.89 P4.4
PB15: P4.3 U1.28 | length 21.6
  Top Layer w0.152: U1.28 -18.824,13.434 -18.653,13.605 -15.621,13.605 -14.875,14.351 -14.763,14.351 v1(-14.768,14.357)
  Bottom Layer w0.152: v1(-14.768,14.357) -13.976,14.357 -9.779,10.16 -2.54,10.16 P4.3
QSPI_CS: IC1.1 R4.1 U1.24 | length 11.9
  Top Layer w0.152: U1.24 v1(-18.538,11.434) -18.034,11.938 R4.1 ; v1(-17.907,8.255) -17.907,5.08 -17.246,4.419 IC1.1
  Bottom Layer w0.152: v1(-18.538,11.434) -18.538,8.886 v1(-17.907,8.255)
QSPI_DATA0: IC1.5 U1.17 | length 11.3
  Top Layer w0.152: U1.17 -19.357,7.934 v1(-19.043,7.62) ; IC1.5 -12.319,9.424 v1(-12.319,7.239)
  Bottom Layer w0.152: v1(-19.043,7.62) -18.415,7.62 -17.907,7.112 -17.78,7.239 v1(-12.319,7.239)
QSPI_DATA1: IC1.2 U1.18 | length 9.1
  Top Layer w0.152: U1.18 -18.848,8.434 -18.415,8.001 -18.415,4.572 -17.399,3.556 -16.357,3.556 IC1.2
QSPI_DATA2: IC1.3 U1.19 | length 9.5
  Top Layer w0.152: U1.19 -17.782,8.934 -17.234,8.386 -17.234,5.527 -17.018,5.31 -15.115,5.31 IC1.3
QSPI_DATA3: IC1.7 U1.20 | length 5.1
  Top Layer w0.152: U1.20 -18.075,9.434 -17.912,9.271 -16.282,9.271 IC1.7
QSPI_SCK: IC1.6 U1.23 | length 7.2
  Top Layer w0.152: U1.23 -18.361,10.934 -17.738,11.557 -17.272,11.557 -16.891,11.176 -14.732,11.176 -14.224,10.668 IC1.6
RESET: C1.2 P1.8 P3.1 R3.1 S1.1 S1.2 U1.52 | length 44.2
  Top Layer w0.2: P1.8 -43.434,15.621 -41.656,13.843 v1(-41.656,9.525) ; v1(-35.687,13.208) -34.163,14.732 -34.163,15.621 -33.655,16.129 -30.734,16.129 ; R3.1 -31.837,17.232 -30.734,16.129 ; U1.52 -29.936,13.934 -30.734,14.732 -30.734,16.129
  Top Layer w0.3: S1.2 S1.1 -44.545,1.175 P3.1
  Bottom Layer w0.2: P3.1 -44.45,3.048 -41.656,5.842 v1(-41.656,9.525) -39.37,9.525 v1(-35.687,13.208)
RX_D0: P3.14 U1.40 | length 26.1
  Top Layer w0.2: U1.40 -24.386,16.136 -24.386,17.651 v1(-24.257,17.78)
  Bottom Layer w0.2: v1(-24.257,17.78) -24.257,11.303 -19.177,6.223 -14.732,6.223 -11.43,2.921 P3.14
SCK: P3.11 U1.36 | length 34.2
  Top Layer w0.2: U1.36 -22.388,16.782 -21.971,17.199 v1(-21.971,17.363)
  Bottom Layer w0.2: v1(-21.971,17.363) -22.824,17.363 -23.749,18.288 -24.892,18.288 -26.924,16.256 -30.236,16.256 -30.607,15.885 -30.607,14.605 -30.099,14.097 -29.083,14.097 -20.066,5.08 -17.78,5.08 -17.272,4.572 -17.272,3.048 P3.11
SCL: P2.11 U1.30 | length 16.2
  Top Layer w0.2: U1.30 -17.526,14.434 -16.891,15.069 -16.891,18.288 -14.986,20.193 -10.243,20.193 -8.89,21.546 P2.11
SDA: P2.12 U1.29 | length 18.9
  Top Layer w0.2: U1.29 -17.435,13.934 -16.532,14.837 -16.532,18.012 -14.732,19.812 -8.128,19.812 P2.12
SWCLK: P1.2 R5.1 U1.57 | length 18.2
  Top Layer w0.2: R5.1 -38.568,16.764 P1.2 -39.624,15.24 -39.116,14.732 -38.608,14.732 -33.655,9.779 -32.004,9.779 -30.349,11.434 U1.57
SWDIO: P1.4 U1.58 | length 16.4
  Top Layer w0.2: P1.4 -40.894,15.367 -39.751,14.224 -38.862,14.224 -33.909,9.271 -31.877,9.271 -30.214,10.934 U1.58
TX_D1: P3.15 U1.39 | length 27.7
  Top Layer w0.2: U1.39 -23.888,17.133 v1(-23.749,17.272)
  Bottom Layer w0.2: v1(-23.749,17.272) -23.749,11.43 -18.923,6.604 -11.43,6.604 -8.89,4.064 P3.15
VUSB: C8.2 C9.2 IC2.4 J1.A4/B9 J1.B4/A9 P2.3 U2.1 U2.3 | length 54.7
  Top Layer w0.3: IC2.4 -42.992,9.465 -42.672,9.145 -42.672,8.255 -43.434,7.493 -45.593,7.493 -46.101,8.001 ; U2.3 -41.356,5.399 C9.2@-42.248,5.399 ; U2.1 -41.722,7.935 -42.037,7.62 -42.037,5.61 C9.2@-42.248,5.399 ; P2.3 -30.48,20.32 -34.163,20.32 -35.56,18.923 -45.593,18.923 -46.482,18.034 -46.482,14.478 -47.13,13.83 J1.A4/B9 -48.908,13.83 -49.106,13.632 -50.503,13.632 -51.689,12.446 -51.689,10.541 -50.376,9.228 -49.155,9.228 -48.958,9.03 J1.B4/A9 -47.13,9.03 -46.101,8.001 ; -46.101,8.001 -46.101,6.096 -45.404,5.399 C8.2 C9.2 C9.2@-42.248,5.399
pads on no net: IC1.9 J1.A8 J1.B8 J1.None P1.6 P2.1 P2.2 U1.51 U1.59 U1.60 U2.4

## Polygon pours and split planes (outlines as drawn)
GND on Bottom Layer "GND_L02_P000" (solid, pour order 0): -55.93,20.37 cw(c-53.39,20.37) -53.39,22.91 -2.49,22.91 cw(c-2.49,20.37) 0.05,20.37 0.05,2.49 cw(c-2.49,2.49) -2.49,-0.05 -53.39,-0.05 cw(c-53.39,2.49) -55.93,2.49
GND on Top Layer "GND_L01_P001" (solid, pour order 1): -55.93,20.37 cw(c-53.39,20.37) -53.39,22.91 -2.49,22.91 cw(c-2.49,20.37) 0.05,20.37 0.05,2.49 cw(c-2.49,2.49) -2.49,-0.05 -53.39,-0.05 cw(c-53.39,2.49) -55.93,2.49

## Keep-outs
Keep-Out Layer:
  lines w0.1: -55.88,4.98 -55.88,2.54 ; -55.88,2.54 ccw(c-53.34,2.54) -53.34,0 -3.895,0 -2.54,0 ccw(c-2.54,2.54) 0,2.54 0,5.564 0,6.486 0,18.506 0,20.32 ccw(c-2.54,20.32) -2.54,22.86 -5.08,22.86 -49.53,22.86 -52.486,22.86 -53.34,22.86 ccw(c-53.34,20.32) -55.88,20.32 -55.88,20.016 -55.88,2.54

## Other copper
Top Layer:
  pour cut-out: -5.08,5.08 -5.08,17.78 0,17.78 0,5.08
  region: 399 vertices and 0 holes, not listed, extent -49.105,19.786 -48.578,21.176
  region: 556 vertices and 0 holes, not listed, extent -48.305,19.357 -46.717,20.804
  region: -49.562,20.797 -49.527,20.797 -49.527,20.79 -49.506,20.79 -49.506,20.783 -49.485,20.783 -49.485,20.776 -49.47,20.776 -49.47,20.769 -49.456,20.769 -49.456,20.762 -49.449,20.762 -49.449,20.755 -49.435,20.755 -49.435,20.748 -49.428,20.748 -49.428,20.741 -49.414,20.741 -49.414,20.734 -49.407,20.734 -49.407,20.727 -49.4,20.727 -49.4,20.72 -49.393,20.72 -49.393,20.713 -49.393,20.706 -49.386,20.706 -49.386,20.699 -49.386,20.692 -49.379,20.692 -49.379,20.685 -49.379,20.678 -49.379,20.671 -49.379,20.664 -49.379,20.657 -49.379,20.65 -49.379,20.643 -49.379,20.635 -49.379,20.628 -49.379,20.621 -49.379,20.614 -49.379,20.607 -49.379,20.6 -49.379,20.593 -49.379,20.586 -49.379,20.579 -49.379,20.572 -49.379,20.565 -49.379,20.558 -49.379,20.551 -49.379,20.544 -49.379,20.537 -49.379,20.53 -49.379,20.523 -49.379,20.516 -49.379,20.509 -50.952,20.509 -50.952,20.516 -50.945,20.516 -50.945,20.523 -50.938,20.523 -50.938,20.53 -50.931,20.53 -50.931,20.537 -50.924,20.537 -50.924,20.544 -50.91,20.544 -50.91,20.551 -50.903,20.551 -50.903,20.558 -50.896,20.558 -50.896,20.565 -50.889,20.565 -50.889,20.572 -50.882,20.572 -50.882,20.579 -50.875,20.579 -50.875,20.586 -50.861,20.586 -50.861,20.593 -50.854,20.593 -50.854,20.6 -50.847,20.6 -50.847,20.607 -50.84,20.607 -50.84,20.614 -50.833,20.614 -50.833,20.621 -50.826,20.621 -50.826,20.628 -50.812,20.628 -50.812,20.635 -50.805,20.635 -50.805,20.643 -50.798,20.643 -50.798,20.65 -50.791,20.65 -50.791,20.657 -50.784,20.657 -50.784,20.664 -50.77,20.664 -50.77,20.671 -50.763,20.671 -50.763,20.678 -50.756,20.678 -50.756,20.685 -50.749,20.685 -50.749,20.692 -50.742,20.692 -50.742,20.699 -50.735,20.699 -50.735,20.706 -50.721,20.706 -50.721,20.713 -50.714,20.713 -50.714,20.72 -50.707,20.72 -50.707,20.727 -50.7,20.727 -50.7,20.734 -50.693,20.734 -50.693,20.741 -50.686,20.741 -50.686,20.748 -50.671,20.748 -50.671,20.755 -50.664,20.755 -50.664,20.762 -50.657,20.762 -50.657,20.769 -50.65,20.769 -50.65,20.776 -50.643,20.776 -50.643,20.783 -50.636,20.783 -50.636,20.79 -50.622,20.79 -50.622,20.797 -50.615,20.797 -50.615,20.804 -49.562,20.804
  region: 370 vertices and 0 holes, not listed, extent -50.966,19.786 -49.379,20.446
Bottom Layer:
  pour cut-out: -5.08,5.08 -5.08,17.78 0,17.78 0,5.08
  region net GND: -50.03,15.45 -50.03,17.63 -48.03,17.63 -48.03,15.45
  region net GND: -53.96,15.45 -53.96,17.63 -51.96,17.63 -51.96,15.45
  region net GND: -50.03,5.23 -50.03,7.41 -48.03,7.41 -48.03,5.23
  region net GND: -53.96,5.23 -53.96,7.41 -51.96,7.41 -51.96,5.23
  region: -54.102,5.08

## Silkscreen, mask and mechanical layers (free items; w line width, h text height)
Top Overlay:
  circle w0.254: c-17.559,3.639 r0.05
  circle w0.5: c-37.973,21.336 r0.2
  text "USB" at -30.226,19.177 h1.52
  text "D13" at -27.559,19.177 h1.52
  text "D12" at -25.146,19.177 h1.52
  text "D11" at -22.606,19.177 h1.52
  text "D10" at -20.066,19.177 h1.52
  text "D9" at -17.145,19.177 h1.52
  text "D5" at -11.557,19.177 h1.52
  text "SCL" at -9.779,19.177 h1.52
  text "SDA" at -7.366,19.177 h1.52
  text "SAMD51 Dev Board" at -30.226,18.034 h1.52
  text "V0.2" at -30.226,16.935 h1.52
  text "3V" at -41.656,2.921 h1.52
  text "Aref" at -40.386,2.921 h1.52
  text "Gnd" at -37.846,2.921 h1.52
  text "A0" at -34.925,2.921 h1.52
  text "A1" at -32.385,2.921 h1.52
  text "A2" at -29.972,2.921 h1.52
  text "A3" at -27.432,2.921 h1.52
  text "A4" at -24.13,2.921 h1.52
  text "A5" at -22.225,2.921 h1.52
  text "SCK" at -19.939,2.921 h1.52
  text "MO" at -17.145,2.921 h1.52
  text "MI" at -14.478,2.921 h1.52
  text "RX" at -11.938,2.921 h1.52
  text "TX" at -9.525,2.921 h1.52
  text "D4" at -6.985,2.921 h1.52
  text "RST" at -45.847,2.794 h1.52 r90
Top Solder:
  drawing of 4 lines, arcs and shapes, not listed

## Dimensions
0.05,20.32 to -55.88,20.016 on Top Overlay
-53.34,22.91 to -53.34,0 on Top Overlay

## Text inside footprints (layer, text, board x,y; h text height)
P4: Top Overlay "9" at -0.762,18.161 h1.52 r90; Top Overlay "10" at -3.683,18.161 h1.52 r90; Top Overlay "1" at -0.762,4.191 h1.52 r90; Top Overlay "2" at -3.429,4.191 h1.52 r90